# Altium PCB XMS0004.PcbDoc (part 1 of 5) (continued)
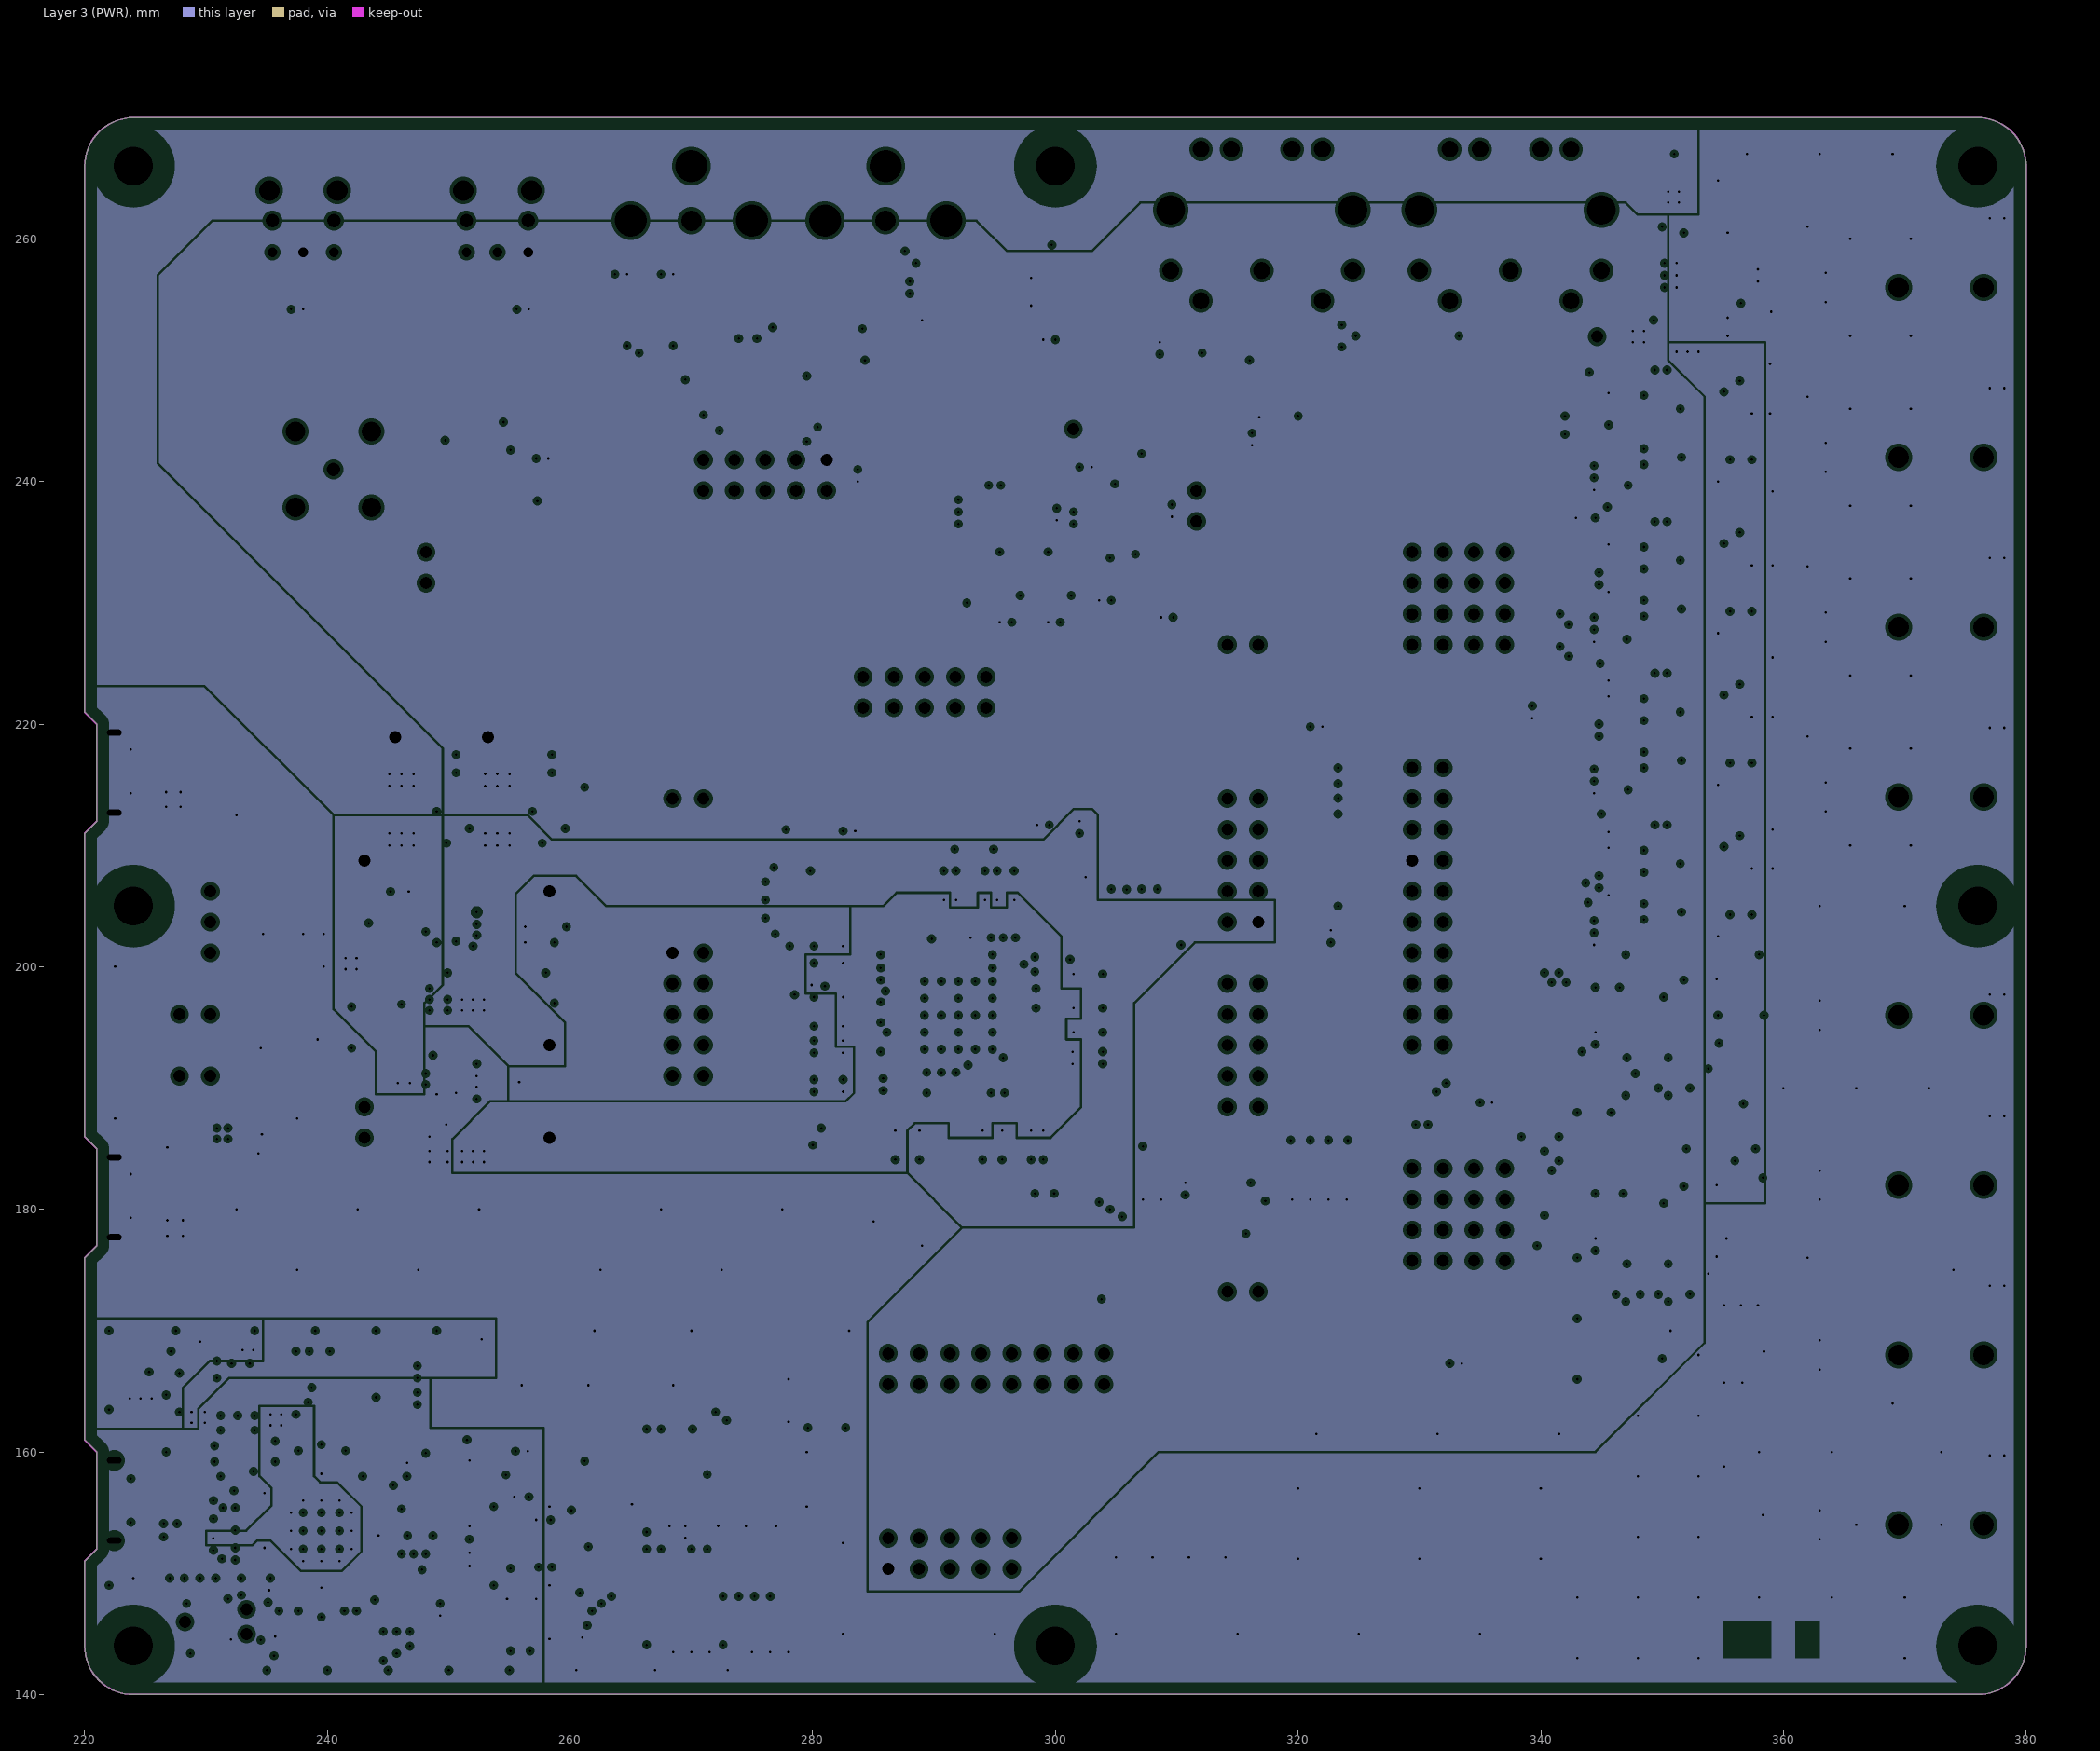
[diagram p3: Layer 3 (PWR), clearances drawn from the general rule]
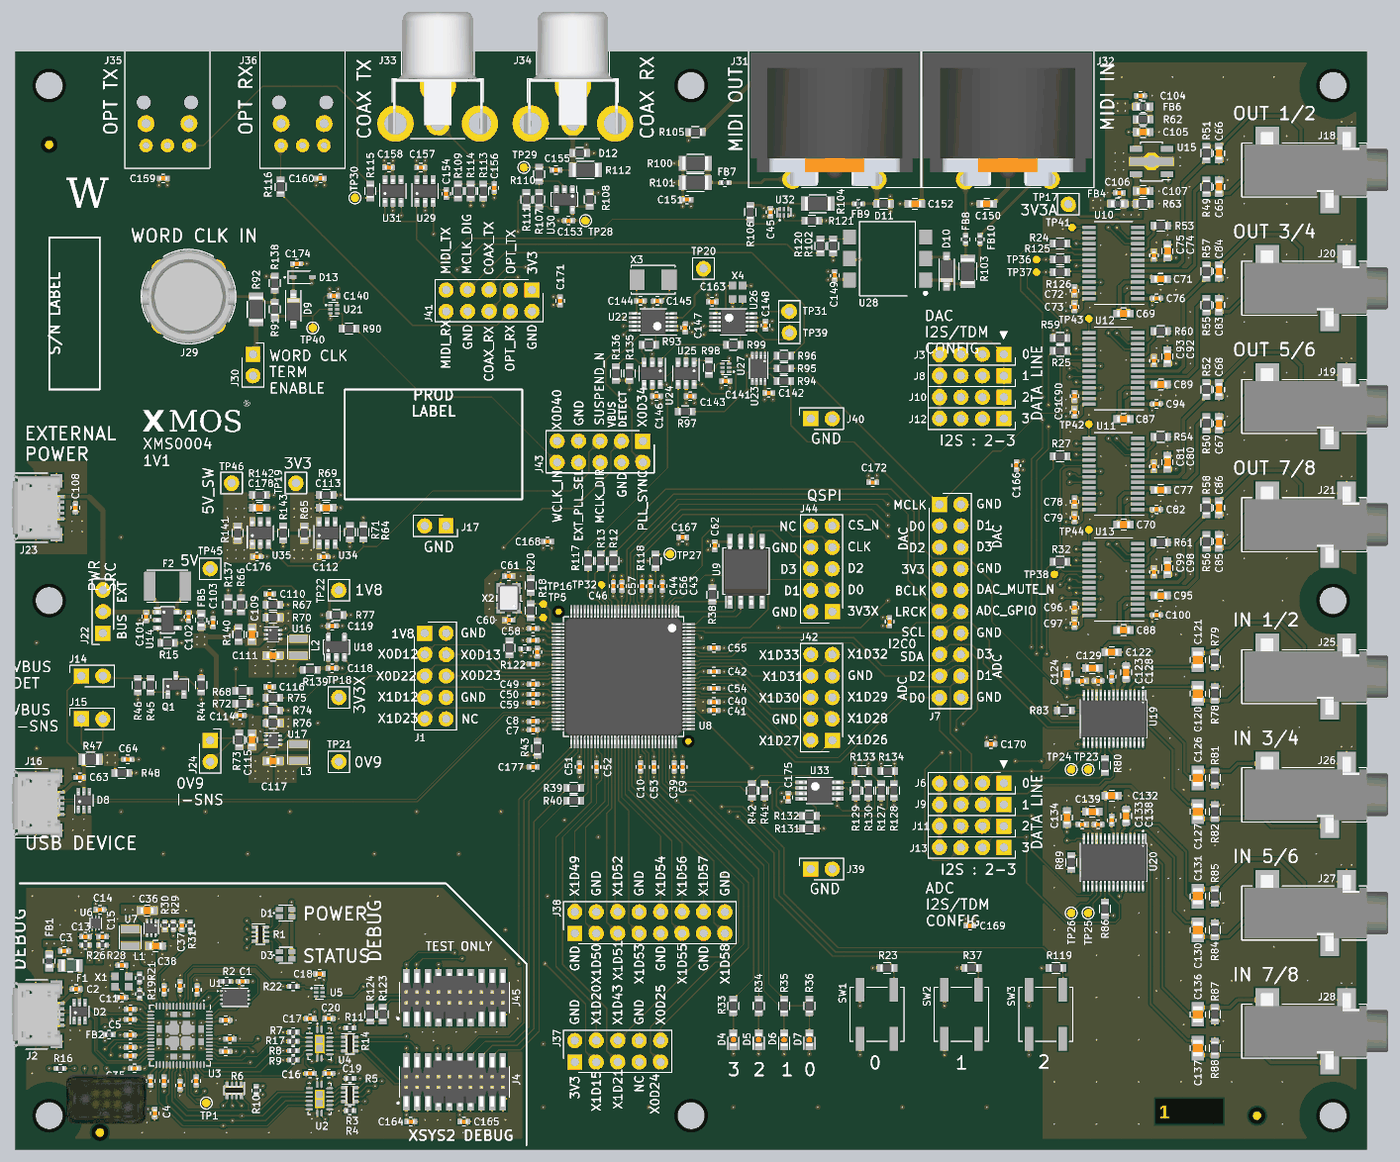
[diagram p8: 3D render of the assembled board from above, using the file's embedded part models]

## Layer stack, top to bottom
Top Solder: solder mask 0.01, Solder Resist, Dk 3.5
Layer 1 (Top): signal copper 0.036
Dielectric 1: prepreg 0.11, FR-4, Dk 4.2
Layer 2 (GND): plane copper 0.036, net GND
Dielectric 2: core 1.2, FR-4, Dk 4.2
Layer 3 (PWR): plane copper 0.036, net (Multiple Nets)
Dielectric 3: prepreg 0.11, FR-4, Dk 4.2
Layer 4 (Bottom): signal copper 0.036
Bottom Solder: solder mask 0.01, Solder Resist, Dk 3.5

## Board outline
220,144 220,151 221,152 221,160 220,161 220,176 221,177 221,185 220,186 220,211 221,212 221,220 220,221 220,266 cw(c224,266) 224,270 376,270 cw(c376,266) 380,266 380,144 cw(c376,144) 376,140 224,140 cw(c224,144)

## Design rules (kind name [scope] priority, off if disabled: settings)
BoardOutlineClearance [InNetClass('All Nets')] p1: gap=0.3 ignorepadtopadclearanceinfootprint=FALSE
Clearance "Board Edge" [(Istrack or isarc) and IsKeepOut] p1: gap=1.2 ignorepadtopadclearanceinfootprint=FALSE except(0.5: Arc-SMDPad Arc-THPad Track-SMDPad Track-THPad; 0.7: Arc-Hole Track-Hole; 1: Arc-Arc Arc-Track Arc-Via Arc-Text Track-Track Track-Via Track-Text SMDPad-SMDPad SMDPad-THPad SMDPad-Via SMDPad-Text SMDPad-Hole THPad-THPad THPad-Via THPad-Text THPad-Hole Via-Via Via-Text Via-Hole Text-Text Text-Hole)
Clearance "NPTH Clearance" [IsPad and not PadIsPlated and IsThruPin and not InPadClass('Mic Port Holes') vs not IsKeepOut] p2: gap=0.25 ignorepadtopadclearanceinfootprint=FALSE except(0: Arc-Hole Track-Hole SMDPad-Hole THPad-Hole Via-Hole Fill-Hole Poly-Hole Region-Hole Text-Hole)
Clearance "Outer Polygon Clearance_1" [InPolygon and (OnLayer('Layer 1 (Top)') or OnLayer('Layer 4 (Bottom)')) vs InDifferentialPairClass('USB')] p3: gap=0.3 ignorepadtopadclearanceinfootprint=FALSE except(0: Arc-Hole Track-Hole SMDPad-Hole THPad-Hole Via-Hole Fill-Hole Poly-Hole Region-Hole Text-Hole)
Clearance "Outer Polygon Clearance" [InPolygon and (OnLayer('Layer 1 (Top)') or OnLayer('Layer 6 (Bottom)'))] p4: gap=0.2 ignorepadtopadclearanceinfootprint=FALSE except(0: Arc-Hole Track-Hole SMDPad-Hole THPad-Hole Via-Hole Fill-Hole Poly-Hole Region-Hole Text-Hole; 0.15: Arc-Poly Track-Poly Via-Poly)
Clearance "Via in Pad" [IsVia vs (IsPad AND NOT (InPadClass('Thermal Pads') or InPadClass('CappedViasInPad')))] p5: gap=0.08 ignorepadtopadclearanceinfootprint=FALSE except(0: Arc-Hole Track-Hole SMDPad-Hole THPad-Hole Via-Hole Fill-Hole Poly-Hole Region-Hole Text-Hole)
Clearance [All] p6: gap=0.15 ignorepadtopadclearanceinfootprint=FALSE except(0: Arc-Hole Track-Hole SMDPad-Hole THPad-Hole Via-Hole Fill-Hole Poly-Hole Region-Hole Text-Hole; 0.2: THPad-Poly Fill-Poly Poly-Poly)
ComponentClearance [All] p1: gap=0.05 collisioncheckmode=3 verticalgap=0.2 showdistances=FALSE
DiffPairsRouting DiffPairsRouting_USB [InDifferentialPairClass('USB')] p1: maxlimit=0.15 minlimit=0.15 mostfreqgap=0.15 toplayer_minwidth=0.13 toplayer_maxwidth=0.13 toplayer_prefwidth=0.13 bottomlayer_minwidth=0.13 bottomlayer_maxwidth=0.13 bottomlayer_prefwidth=0.13 maxuncoupledlength=12.7
DiffPairsRouting DiffPairsRouting_Ethernet [InDifferentialPairClass('Ethernet')] p2: maxlimit=0.15 minlimit=0.15 mostfreqgap=0.15 toplayer_minwidth=0.1 toplayer_maxwidth=0.1 toplayer_prefwidth=0.1 bottomlayer_minwidth=0.1 bottomlayer_maxwidth=0.1 bottomlayer_prefwidth=0.1 maxuncoupledlength=12.7
DiffPairsRouting [All] p3: maxlimit=0.15 minlimit=0.15 mostfreqgap=0.15 toplayer_minwidth=0.2 toplayer_maxwidth=0.2 toplayer_prefwidth=0.2 bottomlayer_minwidth=0.2 bottomlayer_maxwidth=0.2 bottomlayer_prefwidth=0.2 maxuncoupledlength=12.7
HoleSize [All] p1: absolutevalues=TRUE maxlimit=6.5 minlimit=0.15 maxpercent=80.000 minpercent=20.000
HoleToHoleClearance [IsVia vs IsVia] p1: gap=0.65 allowstackedmicrovias=TRUE
HoleToHoleClearance HoleToHoleClearance_1 [All] p2: gap=0.3 allowstackedmicrovias=TRUE
MinimumSolderMaskSliver [All] p1: minsoldermaskwidth=0.08
PlaneClearance [All] p1: clearance=0.275
PlaneConnect PlaneConnect_VIA [IsVia] p1: planeconnectstyle=Direct reliefexpansion=0.508 reliefentries=4 reliefconductorwidth=0.254 reliefairgap=0.254
PlaneConnect [All] p2: planeconnectstyle=Relief reliefexpansion=0.25 reliefentries=4 reliefconductorwidth=0.2 reliefairgap=0.25
PolygonConnect PolygonConnect_VIA [IsVia] p1: connectstyle=Direct reliefconductorwidth=0.2 reliefentries=4 polygonreliefangle="90 Angle" airgapwidth=0.2
PolygonConnect PolygonConnect_NO_THERMAL [(InPadClass('NO THERMAL'))] p2: connectstyle=Direct reliefconductorwidth=0.2 reliefentries=4 polygonreliefangle="90 Angle" airgapwidth=0.2
PolygonConnect PolygonConnect_NO_CONNECT [(InPadClass('NoPolyConnect'))] p3: connectstyle=NoConnect reliefconductorwidth=0.2 reliefentries=4 polygonreliefangle="90 Angle" airgapwidth=0.2
PolygonConnect PolygonConnectInner [OnLayer('GND Plane') or OnLayer('PWR Plane')] p4: connectstyle=Relief reliefconductorwidth=0.2 reliefentries=4 polygonreliefangle="90 Angle" airgapwidth=0.15
PolygonConnect PolygonConnectOuter [All] p5: connectstyle=Relief reliefconductorwidth=0.2 reliefentries=4 polygonreliefangle="90 Angle" airgapwidth=0.2
RoutingVias [All] p1: holewidth=0.2 width=0.6 viastyle="Through Hole" minholewidth=0.2 minwidth=0.5 maxholewidth=0.25 maxwidth=0.6
SilkToSilkClearance [All] p1: silktosilkclearance=0.1
SilkToSolderMaskClearance [IsPad] p1: minsilkscreentomaskgap=0.12 clearancetoexposedcopper=TRUE
SolderMaskExpansion SolderMaskExpansion_FinePitch [IsPad and InComponentClass('Fine Pitch')] p1: expansion=0.035 istentingtop=FALSE
SolderMaskExpansion SolderMaskExpansionNPTH [IsPad and not PadIsPlated and IsThruPin] p2: expansion=0.05 istentingtop=FALSE
SolderMaskExpansion [All] p3: expansion=0.05 istentingtop=FALSE
Width [All] p1: maxlimit=1 minlimit=0.13 preferedwidth=0.15 checkconnectedcopper=TRUE
21 further rules are at their usual default settings.

## Classes and differential pairs
component class "Fine Pitch": U6 U8 U22 U23 U26 U33
differential pair class USB: DBG_USB_D USB_D
pad class "NO THERMAL": C36-2 C60-2 C61-2 C72-2 C73-2 C75-2 C78-2 C79-2 C81-2 C90-2 C91-2 C93-2 C96-2 C97-2 C99-2 C109-2 C111-2 C115-2 C117-2 C125-2 C135-2 C161-2 C162-2 R30-1 R65-2 R70-1 R76-1 R141-2 U7-2 U15-2 U16-2 U17-2 U19-7 U19-12 U20-7 U20-12 U34-1 U34-6 U35-6
pad class NoPolyConnect: U10-16 U10-17 U10-18 U10-24 U11-17 U11-24 U12-16 U12-17 U13-17 U19-25 U19-26 U20-25 U20-26
pad class "Thermal Pads": U2-17 U3-61 U3-62 U3-63 U3-64 U3-65 U4-17 U8-129 U10-17 U11-17 U12-25 U13-17
differential pair USB_D: +USB_D_P -USB_D_N
differential pair DBG_USB_D: +DBG_USB_D_P -DBG_USB_D_N

## Components (designator, comment, footprint, x,y, rotation, side; value= is the part's Value field where it differs from the comment)
C1 "100N" CAPC1005X55N#1 246.9,159.9 r0 top
C2 "100N" CAPC1005X55N#1 227.2,159 r180 top
C3 "100N" CAPC1005X55N#1 225.8,163.5 r0 top
C4 "100N" CAPC1005X55N#1 236.5,144.3 r270 top
C5 "1U" CAPC1005X55N#1 233.6,153.55 r180 top
C6 "1U" CAPC1005X55N#1 281.8,198.9 r270 top
C7 "100N" CAPC1005X55N#1 281.3,189.7 r180 top
C8 "100N" CAPC1005X55N#1 281.3,190.7 r180 top
C9 "2U2" CAPC1005X55N#1 299,185.3 r270 top
C10 "100N" CAPC1005X55N#1 294,185.3 r270 top
C11 "18P" CAPC1005X55N#1 232.6,158 r180 top
C12 "18P" CAPC1005X55N#1 232.6,161.8 r180 top
C13 "1U" CAPC1005X55N#1 228.3,165.2 r180 top
C14 "1U" CAPC1005X55N#1 230,168.4 r0 top
C15 "1U" CAPC1005X55N#1 230.3,165.2 r0 top
C16 "100N" CAPC1005X55N#1 254.9,149 r180 top
C17 "100N" CAPC1005X55N#1 254.9,155.5 r180 top
C18 "100N" CAPC1005X55N#1 256,160.8 r180 top
C19 "100N" CAPC1005X55N#1 257.1,149 r0 top
C20 "100N" CAPC1005X55N#1 257.1,155.5 r0 top
C21 "100N" CAPC1005X55N#1 233.6,151.1 r180 top
C22 "100N" CAPC1005X55N#1 241.5,158.9 r90 top
C23 "100N" CAPC1005X55N#1 244.9,151.6 r0 top
C24 "100N" CAPC1005X55N#1 237.6,158.9 r90 top
C25 "100N" CAPC1005X55N#1 237.6,148.1 r270 top
C26 "100N" CAPC1005X55N#1 244.9,155.3 r0 top
C27 "100N" CAPC1005X55N#1 233.6,155.4 r180 top
C28 "100N" CAPC1005X55N#1 241.4,148.1 r270 top
C29 "100N" CAPC1005X55N#1 239.5,159.4 r90 top
C30 "100N" CAPC1005X55N#1 245.4,153.1 r0 top
C31 "100N" CAPC1005X55N#1 233.6,156.6 r180 top
C32 "100N" CAPC1005X55N#1 236,148.1 r270 top
C33 "100N" CAPC1005X55N#1 239.5,147.6 r270 top
C34 "100N" CAPC1005X55N#1 233.6,152.1 r180 top
C35 "100N" CAPC1005X55N#1 234.1,149.6 r180 top
C36 "10U" CAPC1608X90N#1 235.6,168.3 r0 top
C37 "470P" CAPC1005X55N#1 239.7,166.5 r90 top
C38 "10U" CAPC1608X90N#1 236.6,164.1 r0 top
C39 "100N" CAPC1005X55N#1 298,185.3 r270 top
C40 "100N" CAPC1005X55N#1 302.7,193 r0 top
C41 "100N" CAPC1005X55N#1 302.7,192 r0 top
C42 "100N" CAPC1005X55N#1 302.7,196.6 r0 top
C43 "100N" CAPC1005X55N#1 296.6,206.7 r90 top
C44 "100N" CAPC1005X55N#1 294.2,206.7 r90 top
C45 "100N" CAPC1005X55N#1 309.4,251 r270 top
C46 "100N" CAPC1005X55N#1 290.8,206.7 r90 top
C47 "100N" CAPC1005X55N#1 281.3,200.3 r180 top
C48 "100N" CAPC1005X55N#1 281.3,197.5 r180 top
C49 "100N" CAPC1005X55N#1 281.3,195.1 r180 top
C50 "100N" CAPC1005X55N#1 281.3,193.9 r180 top
C51 "100N" CAPC1005X55N#1 286.8,185.3 r270 top
C52 "100N" CAPC1005X55N#1 288.8,185.3 r270 top
C53 "100N" CAPC1005X55N#1 295.6,185.3 r270 top
C54 "100N" CAPC1005X55N#1 302.7,194.6 r0 top
C55 "100N" CAPC1005X55N#1 302.7,199.4 r0 top
C56 "100N" CAPC1005X55N#1 295.2,206.7 r90 top
C57 "100N" CAPC1005X55N#1 291.8,206.7 r90 top
C58 "100N" CAPC1005X55N#1 281.3,201.7 r180 top
C59 "100N" CAPC1005X55N#1 281.3,192.9 r180 top
C60 "18P" CAPC1005X55N#1 278.4,202.7 r180 top
C61 "18P" CAPC1005X55N#1 278.4,207.9 r0 top
C62 "100N" CAPC1005X55N#1 302.8,211.5 r270 top
C63 "10N" CAPC1005X55N#1 227.635,184.057 r180 top
C64 "100N" CAPC1005X55N#1 233.3,186.2 r0 top
C65 "2N2" CAPC1608X90N#1 362.5,254 r90 top
C66 "2N2" CAPC1608X90N#1 362.5,258 r270 top
C67 "2N2" CAPC1608X90N#1 362.5,226 r90 top
C68 "2N2" CAPC1608X90N#1 362.5,230 r270 top
C69 "2U2" CAPC1608X90N#1 351.2,239 r180 top
C70 "2U2" CAPC1608X90N#1 351.2,214 r180 top
C71 "2U2" CAPC1608X90N#1 355.6,243.1 r0 top
C72 "100N" CAPC1005X55N#1 345.4,241.7 r270 top
C73 "100N" CAPC1005X55N#1 345.4,239.8 r90 top
C74 "4U7" CAPC1608X90N#1 356.4,246.4 r90 top
C75 "100N" CAPC1005X55N#1 354.8,245.9 r90 top
C76 "100N" CAPC1005X55N#1 355.1,240.8 r0 top
C77 "2U2" CAPC1608X90N#1 355.6,218.1 r0 top
C78 "100N" CAPC1005X55N#1 345.4,216.7 r270 top
C79 "100N" CAPC1005X55N#1 345.4,214.8 r90 top
C80 "4U7" CAPC1608X90N#1 356.4,221.4 r90 top
C81 "100N" CAPC1005X55N#1 354.8,220.9 r90 top
C82 "100N" CAPC1005X55N#1 355.1,215.8 r0 top
C83 "2N2" CAPC1608X90N#1 362.5,240 r90 top
C84 "2N2" CAPC1608X90N#1 362.5,244 r270 top
C85 "2N2" CAPC1608X90N#1 362.5,212 r90 top
C86 "2N2" CAPC1608X90N#1 362.5,216 r270 top
C87 "2U2" CAPC1608X90N#1 351.2,226.5 r180 top
C88 "2U2" CAPC1608X90N#1 351.2,201.5 r180 top
C89 "2U2" CAPC1608X90N#1 355.6,230.6 r0 top
C90 "100N" CAPC1005X55N#1 345.4,229.2 r270 top
C91 "100N" CAPC1005X55N#1 345.4,227.3 r90 top
C92 "4U7" CAPC1608X90N#1 356.4,233.9 r90 top
C93 "100N" CAPC1005X55N#1 354.8,233.4 r90 top
C94 "100N" CAPC1005X55N#1 355.1,228.3 r0 top
C95 "2U2" CAPC1608X90N#1 355.6,205.6 r0 top
C96 "100N" CAPC1005X55N#1 345.4,204.2 r270 top
C97 "100N" CAPC1005X55N#1 345.4,202.3 r90 top
C98 "4U7" CAPC1608X90N#1 356.4,208.9 r90 top
C99 "100N" CAPC1005X55N#1 354.8,208.4 r90 top
C100 "100N" CAPC1005X55N#1 355.1,203.3 r0 top
C101 "1U" CAPC1005X55N#1 235.5,203.1 r270 top
C102 "1U" CAPC1005X55N#1 240.5,203.1 r270 top
C103 "100N" CAPC1005X55N#1 243.4,202.4 r90 top
C104 "100N" CAPC1005X55N#1 353.2,264.8 r0 top
C105 "4U7" CAPC1608X90N#1 353.5,260.5 r0 top
C106 "100N" CAPC1005X55N#1 350.7,253.3 r180 top
C107 "10U" CAPC1608X90N#1 353.5,253.5 r0 top
C108 "10N" CAPC1005X55N#1 227.1,216 r270 top
C109 "4U7" CAPC1608X90N#1 248,201 r90 top
C110 "100P" CAPC1005X55N#1 250.1,205.8 r180 top
C111 "10U" CAPC1608X90N#1 250.5,198.5 r180 top
C112 "1U" CAPC1005X55N#1 256.5,210.2 r0 top
C113 "4U7" CAPC1608X90N#1 256.8,216 r0 top
C114 "100N" CAPC1005X55N#1 246.6,191.4 r0 top
C115 "4U7" CAPC1608X90N#1 248,188.5 r90 top
C116 "560P" CAPC1005X55N#1 250.1,194.8 r180 top
C117 "22U" CAPC1608X90N#1 250.5,186 r180 top
C118 "1U" CAPC1005X55N#1 257.5,197 r0 top
C119 "1U" CAPC1005X55N#1 257.5,202 r0 top
C120 "10U" CAPC2012X145N 360,194 r90 top
C121 "10U" CAPC2012X145N 360,198 r270 top
C122 "4U7" CAPC1608X90N#1 349.8,198.9 r0 top
C123 "100N" CAPC1005X55N#1 349.8,196 r90 top
C124 "4U7" CAPC1608X90N#1 344.5,196.3 r90 top
C125 "100N" CAPC1005X55N#1 346.3,195.5 r0 top
C126 "10U" CAPC2012X145N 360,184 r270 top
C127 "10U" CAPC2012X145N 360,180 r90 top
C128 "2U2" CAPC1608X90N#2 351.5,196.5 r90 top
C129 "2U2" CAPC1608X90N#1 347.5,197 r180 top
C130 "10U" CAPC2012X145N 360,166 r90 top
C131 "10U" CAPC2012X145N 360,170 r270 top
C132 "4U7" CAPC1608X90N#1 349.8,181.9 r0 top
C133 "100N" CAPC1005X55N#1 349.8,179 r90 top
C134 "4U7" CAPC1608X90N#1 344.5,179.3 r90 top
C135 "100N" CAPC1005X55N#1 346.3,178.5 r0 top
C136 "10U" CAPC2012X145N 360,156 r270 top
C137 "10U" CAPC2012X145N 360,152 r90 top
C138 "2U2" CAPC1608X90N#2 351.5,179.5 r90 top
C139 "2U2" CAPC1608X90N#1 347.5,180 r180 top
C140 "100N" CAPC1005X55N#1 257.7,241.1 r180 top
C141 "100N" CAPC1005X55N#1 304.1,231 r0 top
C142 "100N" CAPC1005X55N#1 309.2,229.6 r0 top
C143 "100N" CAPC1005X55N#1 299.9,229.2 r0 top
C144 "27P" CAPC1005X55N#1 294,240.5 r0 top
C145 "27P" CAPC1005X55N#1 296,240.5 r180 top
C146 "100N" CAPC1005X55N#1 295.9,229.2 r0 top
C147 "100N" CAPC1005X55N#1 299.3,237.3 r90 top
C148 "100N" CAPC1005X55N#1 308.8,237.6 r90 top
C149 "100N" CAPC1005X55N#1 317,243.5 r90 top
C150 "100N" CAPC1608X90N#1 335,252 r180 top
C151 "100N" CAPC1005X55N#1 299.5,252.5 r0 top
C152 "100N" CAPC1608X90N#1 326.5,252 r180 top
C153 "100N" CAPC1005X55N#1 285.5,250 r180 top
C154 "100N" CAPC1005X55N#1 271,253.2 r270 top
C155 "10N" CAPC1005X55N#1 284,256 r180 top
C156 "33P" CAPC1005X55N#1 276.7,253.9 r270 top
C157 "100N" CAPC1005X55N#1 268,256.3 r180 top
C158 "100N" CAPC1005X55N#1 264.2,256.3 r180 top
C159 "100N" CAPC1005X55N#1 237.5,255 r180 top
C160 "100N" CAPC1005X55N#1 256.1,255 r180 top
C161 "100N" CAPC1005X55N#2 348.2,195.5 r180 top
C162 "100N" CAPC1005X55N#2 348.2,178.5 r180 top
C163 "100N" CAPC1005X55N#1 302.5,240.4 r180 top
C164 "100N" CAPC1005X55N#1 266.8,143.3 r0 top
C165 "100N" CAPC1005X55N#1 273.1,143.3 r0 top
C166 "100N" CAPC1005X55N#1 338.5,221 r90 top
C167 "100N" CAPC1005X55N#1 299,212.5 r0 top
C168 "100N" CAPC1005X55N#1 283,212 r180 top
C169 "100N" CAPC1005X55N#1 333,166.5 r180 top
C170 "100N" CAPC1005X55N#1 335.5,188 r180 top
C171 "100N" CAPC1005X55N#1 284.5,240.5 r90 top
C172 "100N" CAPC1005X55N#1 321.5,219 r180 top
C173 "100N" CAPC1005X55N#1 323.5,202.5 r270 top
C174 "10N" CAPC1005X55N#1 253.3,244.9 r0 top
C175 "100N" CAPC1005X55N#1 311.5,181.7 r270 top
C176 "1U" CAPC1005X55N#1 248.6,210.2 r0 top
C177 "10N" CAPC1005X55N#1 281.3,185.3 r180 top
C178 "4U7" CAPC1608X90N#1 248.9,216 r0 top
D1 "LTST-C195KGJRKT" LED_LITEON_LTST_C195KGJRKT 252,168 r270 top
D2 "NUP4114" SOT65P210X110-6N#1 227.6,156.325 r0 top
D3 "LTST-C195KGJRKT" LED_LITEON_LTST_C195KGJRKT 252,163 r270 top
D4 "APT1608" LEDC1608X85N 305,153 r90 top
D5 "APT1608" LEDC1608X85N 308,153 r90 top
D6 "APT1608" LEDC1608X85N 311,153 r90 top
D7 "APT1608" LEDC1608X85N 314,153 r90 top
D8 "NUP4114" SOT65P210X110-6N#2 228.1,181.325 r0 top
D9 "MMSD914T1G" SOD3716X135N 252.9,239.5 r270 top
D10 "MMSD914T1G" SOD3716X135N 330.25,244 r90 top
D11 "PESD0603-240" RESC1608X55N 322.8,252 r180 top
D12 "PESD0603-240" RESC1608X55N 286.8,258 r180 top
D13 "MM3Z3V9B" SODFL2513X100N 254,243.3 r0 top
F1 "0.35A" FUSC215X135X75L40N 226.5,161.8 r180 top
F2 "1.1A" FUSC4632X150N 238,206.7 r0 top
FB1 "220R" INDC1608X95N 224,162.3 r90 top
FB2 "1000R" INDC1005X55N 231.1,153.6 r180 top
FB3 "1000R" INDC1005X55N 280.3,199.3 r180 top
FB4 "220R" INDC1608X95N 350.5,252 r180 top
FB5 "220R" INDC1608X95N 242,202.7 r270 top
FB6 "220R" INDC1608X95N 353.5,263.5 r0 top
FB7 "1000R" INDC1005X55N 304,254.5 r180 top
FB8 "1000R" INDC1005X55N 332.5,247.8 r270 top
FB9 "1000R" INDC1005X55N 319.8,252 r180 top
FB10 "1000R" INDC1005X55N 334.2,247.8 r270 top
FM5 "FIDUCIAL" FIDUCIAL_10_20 230,142 r180 bottom
FM6 "FIDUCIAL" FIDUCIAL_10_20 367,144 r180 bottom
FM7 "FIDUCIAL" FIDUCIAL_10_20 224,259 r0 top
FM8 "FIDUCIAL" FIDUCIAL_10_20 224,259 r180 bottom
FM9 "FIDUCIAL" FIDUCIAL_10_20 367,144 r0 top
FM10 "FIDUCIAL" FIDUCIAL_10_20 230,142 r0 top
J1 "67997-210HLF" HDR_FCI_67997_X10 268.45,201.15 r270 top
J2 "10118193" CON_FCI_10118193 225.1,157.3 r270 top locked
J3 "68001-204HLF" HDR_FCI_68001_204 337.03,234.17 r180 top
J4 "FTSH-110-01-F-DV-K" CON_SAMTEC_FTSH_110_01_X_DV_K 272,148 r0 top
J5 "TAG_CONNECT_6_NL" CON_TAG_CONNECT_6_NOLEG 230.8,146 r0 top
J6 "68001-204HLF" HDR_FCI_68001_204 337.03,183.37 r180 top
J7 "67997-220HLF" HDR_FCI_67997_220 329.41,216.39 r270 top locked
J8 "68001-204HLF" HDR_FCI_68001_204 337.03,231.63 r180 top
J9 "68001-204HLF" HDR_FCI_68001_204 337.03,180.83 r180 top
J10 "68001-204HLF" HDR_FCI_68001_204 337.03,229.09 r180 top
J11 "68001-204HLF" HDR_FCI_68001_204 337.03,178.29 r180 top
J12 "68001-204HLF" HDR_FCI_68001_204 337.03,226.55 r180 top
J13 "68001-204HLF" HDR_FCI_68001_204 337.03,175.75 r180 top
J14 "68001-202HLF" HDR_FCI_68001_202 227.81,196.07 r0 top locked
J15 "68001-202HLF" HDR_FCI_68001_202 227.81,190.99 r0 top locked
J16 "10118193" CON_FCI_10118193 225.1,182.3 r270 top locked
J17 "68001-202HLF" HDR_FCI_68001_202 270.99,213.85 r180 top
J18 "SJ-3523-SMT" CON_CUI_SJ3523 376.5,256 r90 top
J19 "SJ-3523-SMT" CON_CUI_SJ3523 376.5,228 r90 top
J20 "SJ-3523-SMT" CON_CUI_SJ3523 376.5,242 r90 top
J21 "SJ-3523-SMT" CON_CUI_SJ3523 376.5,214 r90 top
J22 "68001-203HLF" HDR_FCI_68001_203 230.35,201.15 r90 top locked
J23 "10118193" CON_FCI_10118193 225.1,217.3 r270 top
J24 "68001-202HLF" HDR_FCI_68001_202 243.05,188.45 r270 top locked
J25 "SJ-3523-SMT" CON_CUI_SJ3523 376.5,196 r90 top
J26 "SJ-3523-SMT" CON_CUI_SJ3523 376.5,182 r90 top
J27 "SJ-3523-SMT" CON_CUI_SJ3523 376.5,168 r90 top
J28 "SJ-3523-SMT" CON_CUI_SJ3523 376.5,154 r90 top
J29 "5-1634503-3" CON_TE_5_1634503 240.5,241 r90 top
J30 "68001-202HLF" HDR_FCI_68001_202 248.13,234.17 r270 top
J31 "SDS-50J" DIN_5PIN_180_RA 317,257.4 r180 top locked
J32 "SDS-50J" DIN_5PIN_180_RA 337.5,257.4 r180 top locked
J33 "RCJ-017" CON_CUI_RCJ_017 270,261.5 r180 top locked
J34 "RCJ-017" CON_CUI_RCJ_017 286,261.5 r180 top locked
J35 "DLT1160A-B" CON_OPT_AIXIN_DLX1160 238,258.9 r0 top locked
J36 "DLR1160-B" CON_OPT_AIXIN_DLX1160 254,258.9 r0 top locked
J37 "67997-210HLF" HDR_FCI_67997_X10 286.23,150.35 r0 top
J38 "67997-116HLF" HDR_FCI_67997_116 286.23,165.59 r0 top
J39 "68001-202HLF" HDR_FCI_68001_202 314.17,173.21 r0 top
J40 "68001-202HLF" HDR_FCI_68001_202 314.17,226.55 r0 top
J41 "67997-210HLF" HDR_FCI_67997_X10 281.15,241.79 r180 top locked
J42 "67997-210HLF" HDR_FCI_67997_X10 316.71,188.45 r90 top
J43 "67997-210HLF" HDR_FCI_67997_X10 294.3,223.9 r180 top
J44 "67997-210HLF" HDR_FCI_67997_X10 316.71,203.69 r90 top
J45 "FTSH-110-01-F-DV-K" CON_SAMTEC_FTSH_110_01_X_DV_K 272,158 r0 top locked
L1 "1U5" INDC2520X120N 233.6,165.1 r270 top
L2 "1U5" INDC2520X120N 253.5,199.5 r270 top
L3 "1U5" INDC2520X120N 253.5,187 r270 top
Q1 "MMBT3904" SOT95P235X115-3N 239,195 r0 top
R1 "470R" RESCAXS50P200X100X55-8N 249,165.5 r270 top
R2 "4K7" RESC1005X40N 245,159.9 r0 top
R3 "36R" RESCAXS50P200X100X55-8N 259.6,146.5 r270 top
R4 "10K" RESC1005X40N 259.6,144.6 r0 top
R5 "10K" RESC1005X40N 259.6,148.4 r0 top
R6 "47K" RESCAXS50P200X100X55-8N 245.9,147 r180 top
R7 "4K7" RESC1005X40N 252.9,153.9 r180 top
R8 "4K7" RESC1005X40N 252.9,151.7 r180 top
R9 "4K7" RESC1005X40N 252.9,150.6 r180 top